# EAGLE board Mk4 Final Panel 8up 4x2 (EAGLE 9.0.1), part 13 of 23 (continued)
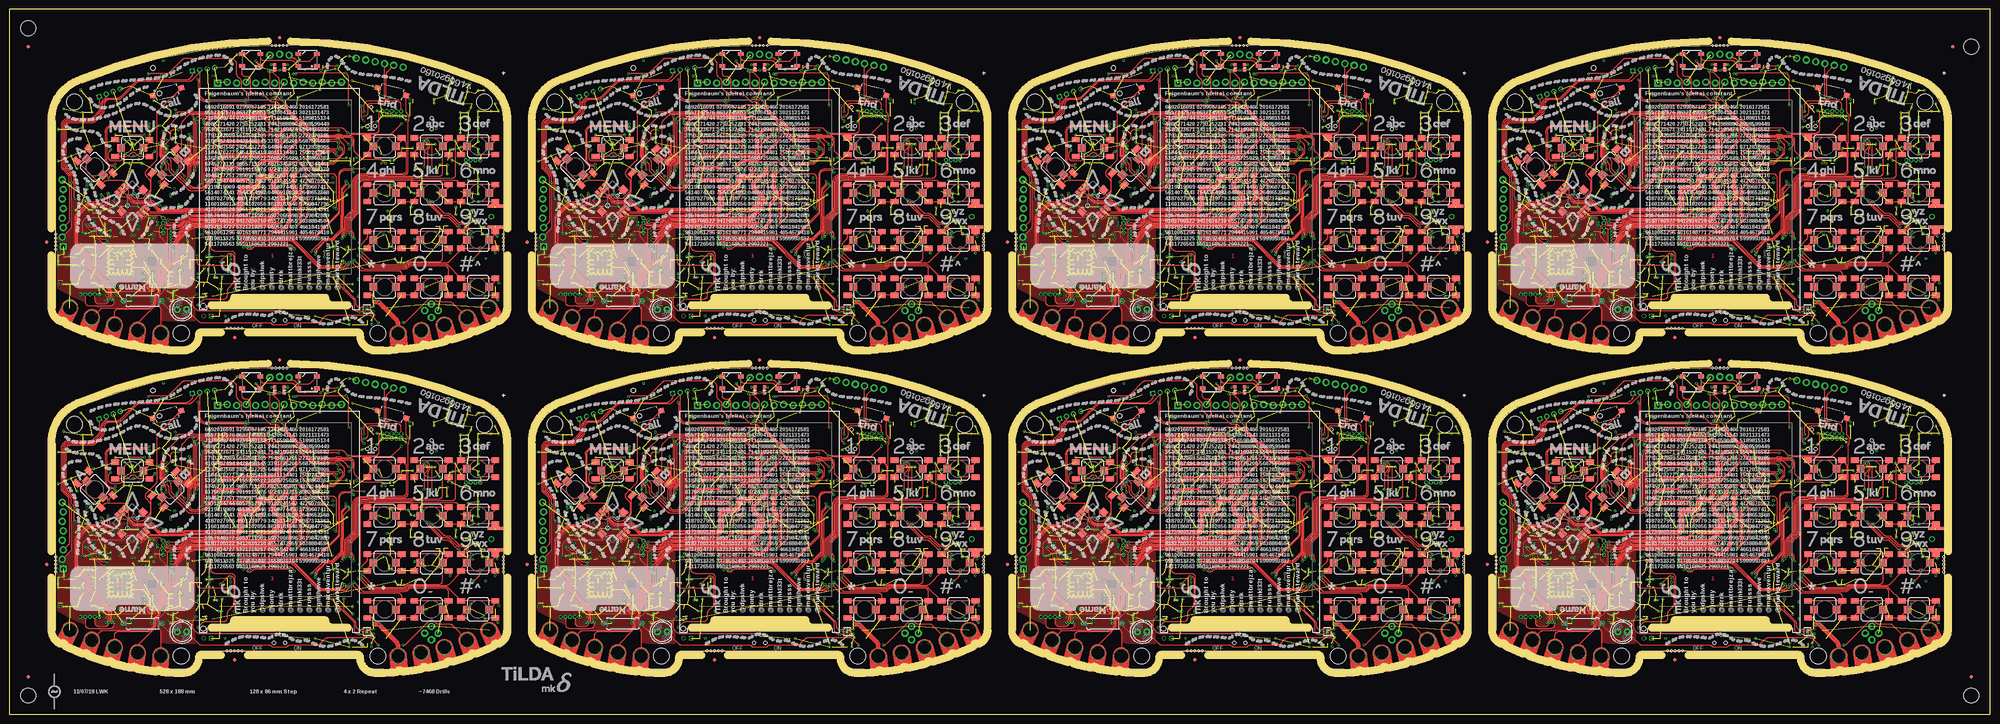
[diagram p0: board, top side]
## Tracks (layer width: path | path; a pad name or v marks a point on that pad's centre or on a via) (continued)
  Bottom 0.15: IC132.5 438,124.3 arc-90 439,125.3 441.38,125.3 arc-45 442.27,124.93 442.51,124.69 arc45 443.21,124.4 446.12,124.4 arc45 446.26,124.46 v446.4,124.6 | IC139.19 470.75,122.75 | IC140.1 472.25,119.5 472.27,119.53 | 472.27,119.53 arc90 472.27,120.22 471.04,121.46 arc-45 470.75,122.16 470.75,122.75 | 470.75,122.75 468.16,122.75 arc-45 467.46,123.04 466.69,123.81 arc45 465.99,124.1 v460,124.1 | v448.1,124.6 447.7,125 447.7,128.38 arc45 447.33,129.27 442.99,133.61 arc-45 442.7,134.31 442.7,143.99 arc-45 v442.99,144.69 v443,144.7 443.05,144.75 R572.1 | v473.2,116.8 473.2,118.39 arc45 473.05,118.75 472.27,119.53 | IC128.61 450.69,156 arc-45 451.05,155.85 v451.5,155.4 | IC143.6 476.73,106.88 arc45 476.7,106.95 476.63,107.02 arc-45 476.6,107.09 476.6,107.29 arc-45 476.75,107.65 v477.35,108.25
I2C4_SDA  (via drill 0.3)
  Top 0.15: v84,36 v84,37.5 | v74.58,38.7 65.54,38.7 arc45 64.83,38.41 64.56,38.13 arc-45 64,37.9 arc-90 v63.3,38.6 | IC17.6 v93.35,21.35 93,21.35 arc-90 92,22.35 92,24.09 arc45 91.71,24.79 85.99,30.51 arc45 85.29,30.8 v84.8,30.8
  3V3@2 0.15: v58,58.7 58,64 58.25,64.25 58.25,66.75 59,67.5 61,67.5 63.25,69.75 66.35,69.75 v66.7,69.4
  Bottom 0.15: IC8.6 arc-90 55.45,39 57.36,39 arc-45 58.07,38.71 58.31,38.47 arc45 59.19,38.1 61.82,38.1 arc-45 61.96,38.04 62.04,37.96 arc45 62.18,37.9 62.6,37.9 arc90 v63.3,38.6 63.4,38.7 63.4,42.34 arc45 63.11,43.04 58.69,47.46 arc-45 58.4,48.16 58.4,57.89 arc45 58.11,58.59 v58,58.7 arc45 58.1,58.94 58.1,59.7 R21.1 | IC4.20 86.92,37.25 86.89,37.23 84.66,37.23 arc-45 v84,37.5 83.39,38.11 arc45 82.69,38.4 76.71,38.4 arc-45 76.35,38.55 76.35,38.55 arc45 75.99,38.7 v74.58,38.7 | IC16.6 86.16,33.5 arc-45 85.46,33.79 84.8,34.45 | 84.8,34.45 84.29,34.96 arc-45 84,35.66 v84,36 | v84.8,30.8 84.8,34.45 | IC1.60 66.29,69.6 arc-45 66.65,69.45 v66.7,69.4 | IC3.1 95.47,20.06 arc45 95.18,20.77 94.89,21.06 arc45 94.19,21.35 v93.35,21.35
I2C4_SDA1  (via drill 0.3)
  Top 0.15: v212,36 v212,37.5 | v202.58,38.7 193.54,38.7 arc45 192.83,38.41 192.56,38.13 arc-45 192,37.9 arc-90 v191.3,38.6 | IC34.6 v221.35,21.35 221,21.35 arc-90 220,22.35 220,24.09 arc45 219.71,24.79 213.99,30.51 arc45 213.29,30.8 v212.8,30.8
  3V3@2 0.15: v186,58.7 186,64 186.25,64.25 186.25,66.75 187,67.5 189,67.5 191.25,69.75 194.35,69.75 v194.7,69.4
  Bottom 0.15: IC24.6 arc-90 183.45,39 185.36,39 arc-45 186.07,38.71 186.31,38.47 arc45 187.19,38.1 189.82,38.1 arc-45 189.96,38.04 190.04,37.96 arc45 190.18,37.9 190.6,37.9 arc90 v191.3,38.6 191.4,38.7 191.4,42.34 arc45 191.11,43.04 186.69,47.46 arc-45 186.4,48.16 186.4,57.89 arc45 186.11,58.59 v186,58.7 arc45 186.1,58.94 186.1,59.7 R103.1 | IC31.20 214.92,37.25 214.89,37.23 212.66,37.23 arc-45 v212,37.5 211.39,38.11 arc45 210.69,38.4 204.71,38.4 arc-45 204.35,38.55 204.35,38.55 arc45 203.99,38.7 v202.58,38.7 | IC32.6 214.16,33.5 arc-45 213.46,33.79 212.8,34.45 | 212.8,34.45 212.29,34.96 arc-45 212,35.66 v212,36 | v212.8,30.8 212.8,34.45 | IC20.60 194.29,69.6 arc-45 194.65,69.45 v194.7,69.4 | IC35.1 223.47,20.06 arc45 223.18,20.77 222.89,21.06 arc45 222.19,21.35 v221.35,21.35
I2C4_SDA2  (via drill 0.3)
  Top 0.15: v84,122 v84,123.5 | v74.58,124.7 65.54,124.7 arc45 64.83,124.41 64.56,124.13 arc-45 64,123.9 arc-90 v63.3,124.6 | IC52.6 v93.35,107.35 93,107.35 arc-90 92,108.35 92,110.09 arc45 91.71,110.79 85.99,116.51 arc45 85.29,116.8 v84.8,116.8
  3V3@2 0.15: v58,144.7 58,150 58.25,150.25 58.25,152.75 59,153.5 61,153.5 63.25,155.75 66.35,155.75 v66.7,155.4
  Bottom 0.15: IC42.6 arc-90 55.45,125 57.36,125 arc-45 58.07,124.71 58.31,124.47 arc45 59.19,124.1 61.82,124.1 arc-45 61.96,124.04 62.04,123.96 arc45 62.18,123.9 62.6,123.9 arc90 v63.3,124.6 63.4,124.7 63.4,128.34 arc45 63.11,129.04 58.69,133.46 arc-45 58.4,134.16 58.4,143.89 arc45 58.11,144.59 v58,144.7 arc45 58.1,144.94 58.1,145.7 R181.1 | IC49.20 86.92,123.25 86.89,123.22 84.66,123.22 arc-45 v84,123.5 83.39,124.11 arc45 82.69,124.4 76.71,124.4 arc-45 76.35,124.55 76.35,124.55 arc45 75.99,124.7 v74.58,124.7 | IC50.6 86.16,119.5 arc-45 85.46,119.79 84.8,120.45 | 84.8,120.45 84.29,120.96 arc-45 84,121.66 v84,122 | v84.8,116.8 84.8,120.45 | IC38.60 66.29,155.6 arc-45 66.65,155.45 v66.7,155.4 | IC53.1 95.47,106.06 arc45 95.18,106.77 94.89,107.06 arc45 94.19,107.35 v93.35,107.35
I2C4_SDA3  (via drill 0.3)
  Top 0.15: v212,122 v212,123.5 | v202.58,124.7 193.54,124.7 arc45 192.83,124.41 192.56,124.13 arc-45 192,123.9 arc-90 v191.3,124.6 | IC70.6 v221.35,107.35 221,107.35 arc-90 220,108.35 220,110.09 arc45 219.71,110.79 213.99,116.51 arc45 213.29,116.8 v212.8,116.8
  3V3@2 0.15: v186,144.7 186,150 186.25,150.25 186.25,152.75 187,153.5 189,153.5 191.25,155.75 194.35,155.75 v194.7,155.4
  Bottom 0.15: IC60.6 arc-90 183.45,125 185.36,125 arc-45 186.07,124.71 186.31,124.47 arc45 187.19,124.1 189.82,124.1 arc-45 189.96,124.04 190.04,123.96 arc45 190.18,123.9 190.6,123.9 arc90 v191.3,124.6 191.4,124.7 191.4,128.34 arc45 191.11,129.04 186.69,133.46 arc-45 186.4,134.16 186.4,143.89 arc45 186.11,144.59 v186,144.7 arc45 186.1,144.94 186.1,145.7 R259.1 | IC67.20 214.92,123.25 214.89,123.22 212.66,123.22 arc-45 v212,123.5 211.39,124.11 arc45 210.69,124.4 204.71,124.4 arc-45 204.35,124.55 204.35,124.55 arc45 203.99,124.7 v202.58,124.7 | IC68.6 214.16,119.5 arc-45 213.46,119.79 212.8,120.45 | 212.8,120.45 212.29,120.96 arc-45 212,121.66 v212,122 | v212.8,116.8 212.8,120.45 | IC56.60 194.29,155.6 arc-45 194.65,155.45 v194.7,155.4 | IC71.1 223.47,106.06 arc45 223.18,106.77 222.89,107.06 arc45 222.19,107.35 v221.35,107.35
I2C4_SDA4  (via drill 0.3)
  Top 0.15: v340,36 v340,37.5 | v330.58,38.7 321.54,38.7 arc45 320.83,38.41 320.56,38.13 arc-45 320,37.9 arc-90 v319.3,38.6 | IC88.6 v349.35,21.35 349,21.35 arc-90 348,22.35 348,24.09 arc45 347.71,24.79 341.99,30.51 arc45 341.29,30.8 v340.8,30.8
  3V3@2 0.15: v314,58.7 314,64 314.25,64.25 314.25,66.75 315,67.5 317,67.5 319.25,69.75 322.35,69.75 v322.7,69.4
  Bottom 0.15: IC78.6 arc-90 311.45,39 313.36,39 arc-45 314.07,38.71 314.31,38.47 arc45 315.19,38.1 317.82,38.1 arc-45 317.96,38.04 318.04,37.96 arc45 318.18,37.9 318.6,37.9 arc90 v319.3,38.6 319.4,38.7 319.4,42.34 arc45 319.11,43.04 314.69,47.46 arc-45 314.4,48.16 314.4,57.89 arc45 314.11,58.59 v314,58.7 arc45 314.1,58.94 314.1,59.7 R337.1 | IC85.20 342.92,37.25 342.89,37.23 340.66,37.23 arc-45 v340,37.5 339.39,38.11 arc45 338.69,38.4 332.71,38.4 arc-45 332.35,38.55 332.35,38.55 arc45 331.99,38.7 v330.58,38.7 | IC86.6 342.16,33.5 arc-45 341.46,33.79 340.8,34.45 | 340.8,34.45 340.29,34.96 arc-45 340,35.66 v340,36 | v340.8,30.8 340.8,34.45 | IC74.60 322.29,69.6 arc-45 322.65,69.45 v322.7,69.4 | IC89.1 351.48,20.06 arc45 351.18,20.77 350.89,21.06 arc45 350.19,21.35 v349.35,21.35
I2C4_SDA5  (via drill 0.3)
  Top 0.15: v468,36 v468,37.5 | v458.58,38.7 449.54,38.7 arc45 448.83,38.41 448.56,38.13 arc-45 448,37.9 arc-90 v447.3,38.6 | IC106.6 v477.35,21.35 477,21.35 arc-90 476,22.35 476,24.09 arc45 475.71,24.79 469.99,30.51 arc45 469.29,30.8 v468.8,30.8
  3V3@2 0.15: v442,58.7 442,64 442.25,64.25 442.25,66.75 443,67.5 445,67.5 447.25,69.75 450.35,69.75 v450.7,69.4
  Bottom 0.15: IC96.6 arc-90 439.45,39 441.36,39 arc-45 442.07,38.71 442.31,38.47 arc45 443.19,38.1 445.82,38.1 arc-45 445.96,38.04 446.04,37.96 arc45 446.18,37.9 446.6,37.9 arc90 v447.3,38.6 447.4,38.7 447.4,42.34 arc45 447.11,43.04 442.69,47.46 arc-45 442.4,48.16 442.4,57.89 arc45 442.11,58.59 v442,58.7 arc45 442.1,58.94 442.1,59.7 R415.1 | IC103.20 470.92,37.25 470.89,37.23 468.66,37.23 arc-45 v468,37.5 467.39,38.11 arc45 466.69,38.4 460.71,38.4 arc-45 460.35,38.55 460.35,38.55 arc45 459.99,38.7 v458.58,38.7 | IC104.6 470.16,33.5 arc-45 469.46,33.79 468.8,34.45 | 468.8,34.45 468.29,34.96 arc-45 468,35.66 v468,36 | v468.8,30.8 468.8,34.45 | IC92.60 450.29,69.6 arc-45 450.65,69.45 v450.7,69.4 | IC107.1 479.48,20.06 arc45 479.18,20.77 478.89,21.06 arc45 478.19,21.35 v477.35,21.35
I2C4_SDA6  (via drill 0.3)
  Top 0.15: v340,122 v340,123.5 | v330.58,124.7 321.54,124.7 arc45 320.83,124.41 320.56,124.13 arc-45 320,123.9 arc-90 v319.3,124.6 | IC124.6 v349.35,107.35 349,107.35 arc-90 348,108.35 348,110.09 arc45 347.71,110.79 341.99,116.51 arc45 341.29,116.8 v340.8,116.8
  3V3@2 0.15: v314,144.7 314,150 314.25,150.25 314.25,152.75 315,153.5 317,153.5 319.25,155.75 322.35,155.75 v322.7,155.4
  Bottom 0.15: IC114.6 arc-90 311.45,125 313.36,125 arc-45 314.07,124.71 314.31,124.47 arc45 315.19,124.1 317.82,124.1 arc-45 317.96,124.04 318.04,123.96 arc45 318.18,123.9 318.6,123.9 arc90 v319.3,124.6 319.4,124.7 319.4,128.34 arc45 319.11,129.04 314.69,133.46 arc-45 314.4,134.16 314.4,143.89 arc45 314.11,144.59 v314,144.7 arc45 314.1,144.94 314.1,145.7 R493.1 | IC121.20 342.92,123.25 342.89,123.22 340.66,123.22 arc-45 v340,123.5 339.39,124.11 arc45 338.69,124.4 332.71,124.4 arc-45 332.35,124.55 332.35,124.55 arc45 331.99,124.7 v330.58,124.7 | IC122.6 342.16,119.5 arc-45 341.46,119.79 340.8,120.45 | 340.8,120.45 340.29,120.96 arc-45 340,121.66 v340,122 | v340.8,116.8 340.8,120.45 | IC110.60 322.29,155.6 arc-45 322.65,155.45 v322.7,155.4 | IC125.1 351.48,106.06 arc45 351.18,106.77 350.89,107.06 arc45 350.19,107.35 v349.35,107.35
I2C4_SDA7  (via drill 0.3)
  Top 0.15: v468,122 v468,123.5 | v458.58,124.7 449.54,124.7 arc45 448.83,124.41 448.56,124.13 arc-45 448,123.9 arc-90 v447.3,124.6 | IC142.6 v477.35,107.35 477,107.35 arc-90 476,108.35 476,110.09 arc45 475.71,110.79 469.99,116.51 arc45 469.29,116.8 v468.8,116.8
  3V3@2 0.15: v442,144.7 442,150 442.25,150.25 442.25,152.75 443,153.5 445,153.5 447.25,155.75 450.35,155.75 v450.7,155.4
  Bottom 0.15: IC132.6 arc-90 439.45,125 441.36,125 arc-45 442.07,124.71 442.31,124.47 arc45 443.19,124.1 445.82,124.1 arc-45 445.96,124.04 446.04,123.96 arc45 446.18,123.9 446.6,123.9 arc90 v447.3,124.6 447.4,124.7 447.4,128.34 arc45 447.11,129.04 442.69,133.46 arc-45 442.4,134.16 442.4,143.89 arc45 442.11,144.59 v442,144.7 arc45 442.1,144.94 442.1,145.7 R571.1 | IC139.20 470.92,123.25 470.89,123.22 468.66,123.22 arc-45 v468,123.5 467.39,124.11 arc45 466.69,124.4 460.71,124.4 arc-45 460.35,124.55 460.35,124.55 arc45 459.99,124.7 v458.58,124.7 | IC140.6 470.16,119.5 arc-45 469.46,119.79 468.8,120.45 | 468.8,120.45 468.29,120.96 arc-45 468,121.66 v468,122 | v468.8,116.8 468.8,120.45 | IC128.60 450.29,155.6 arc-45 450.65,155.45 v450.7,155.4 | IC143.1 479.48,106.06 arc45 479.18,106.77 478.89,107.06 arc45 478.19,107.35 v477.35,107.35
I2C5_EXT_SCL  (via drill 0.3)
  Top 0.2: J8.1 48.78,84.69 arc-45 48.49,83.99 47.89,83.39 arc-45 47.19,83.1 34.62,83.1 arc45 33.73,82.73 29.59,78.59 arc-45 28.89,78.3 26.52,78.3 arc45 25.63,77.93 25.27,77.57 arc45 24.9,76.68 24.9,75.27 arc-45 24.46,74.21 22.89,72.64 arc-45 21.83,72.2 16.05,72.2 arc90 14.8,70.95 14.8,60.21 arc45 15.09,59.51 16.81,57.79 arc-45 17.1,57.09 17.1,52.31 arc45 17.39,51.61 v17.5,51.5 | v50.25,83.25 arc-45 50.5,82.65 50.5,79.15 arc90 52.25,77.4 62.85,77.4 v63,77.25
  3V3@2 0.15: v63,77.25 63,74 63.5,73.5 68.02,73.5 68.6,72.92 68.6,70.32 70.28,68.65 70.28,68.38 70.58,68.08 70.85,68.08 76.1,62.82 v76.1,62.2
  Bottom 0.15: IC1.121 78.89,61.6 78.86,61.63 arc45 78.51,61.77 78.38,61.77 arc-45 77.67,62.07 77.21,62.53 arc45 76.86,62.67 76.78,62.67 arc45 76.43,62.53 v76.1,62.2
  Bottom 0.2: IC1.121 80.79,61.6 arc-45 81.15,61.45 81.25,61.35 arc45 81.61,61.2 82.27,61.2 arc-45 82.62,61.05 83.35,60.33 83.35,60.15 R24.1 84.2,59.3 84.2,58.95 arc45 84.33,58.63 arc-45 84.62,57.92 84.62,53.82 arc45 84.92,53.11 85.41,52.62 arc45 86.12,52.33 87.76,52.33 arc-45 88.47,52.03 94.38,46.12 arc-45 94.75,45.23 94.75,39.33 arc45 95.19,38.27 100,33.46 arc45 101.06,33.02 104.66,33.02 arc-45 105.54,32.66 109.11,29.09 arc-45 109.4,28.39 109.4,21.9 109.4,21.51 | JP6.6 17.45,51.45 v17.5,51.5 | PCB.SCL 109.8,17 109.4,17.4 109.4,21.51 | J8.1 49,85.36 49,84.91 arc45 49.29,84.21 v50.25,83.25 | J11.3 111.06,19.85 arc-45 110.35,20.15 109.69,20.81 arc-45 109.4,21.51
  Bottom 0.3: PCB.SCL 110.25,16.84 | J8.5 J8.1
I2C5_EXT_SCL1  (via drill 0.3)
  Top 0.2: J18.1 176.78,84.69 arc-45 176.49,83.99 175.89,83.39 arc-45 175.19,83.1 162.62,83.1 arc45 161.73,82.73 157.59,78.59 arc-45 156.89,78.3 154.52,78.3 arc45 153.63,77.93 153.27,77.57 arc45 152.9,76.68 152.9,75.27 arc-45 152.46,74.21 150.89,72.64 arc-45 149.83,72.2 144.05,72.2 arc90 142.8,70.95 142.8,60.21 arc45 143.09,59.51 144.81,57.79 arc-45 145.1,57.09 145.1,52.31 arc45 145.39,51.61 v145.5,51.5 | v178.25,83.25 arc-45 178.5,82.65 178.5,79.15 arc90 180.25,77.4 190.85,77.4 v191,77.25
  3V3@2 0.15: v191,77.25 191,74 191.5,73.5 196.02,73.5 196.6,72.92 196.6,70.32 198.28,68.65 198.28,68.38 198.58,68.08 198.85,68.08 204.1,62.82 v204.1,62.2
  Bottom 0.15: IC20.121 206.89,61.6 206.86,61.63 arc45 206.51,61.77 206.38,61.77 arc-45 205.68,62.07 205.21,62.53 arc45 204.86,62.67 204.78,62.67 arc45 204.43,62.53 v204.1,62.2
  Bottom 0.2: IC20.121 208.79,61.6 arc-45 209.15,61.45 209.25,61.35 arc45 209.61,61.2 210.27,61.2 arc-45 210.62,61.05 211.35,60.33 211.35,60.15 R106.1 212.2,59.3 212.2,58.95 arc45 212.33,58.63 arc-45 212.62,57.92 212.62,53.82 arc45 212.92,53.11 213.41,52.62 arc45 214.12,52.33 215.76,52.33 arc-45 216.47,52.03 222.38,46.12 arc-45 222.75,45.23 222.75,39.33 arc45 223.19,38.27 228,33.46 arc45 229.06,33.02 232.66,33.02 arc-45 233.54,32.66 237.11,29.09 arc-45 237.4,28.39 237.4,21.51 | JP17.6 145.45,51.45 v145.5,51.5 | PCB1.SCL 237.8,17 237.4,17.4 237.4,21.51 | J18.1 177,85.36 177,84.91 arc45 177.29,84.21 v178.25,83.25 | J20.3 239.06,19.85 arc-45 238.35,20.15 237.69,20.81 arc-45 237.4,21.51
  Bottom 0.3: PCB1.SCL 238.25,16.84 | J18.5 J18.1
I2C5_EXT_SCL2  (via drill 0.3)
  Top 0.2: J28.1 48.78,170.69 arc-45 48.49,169.99 47.89,169.39 arc-45 47.19,169.1 34.62,169.1 arc45 33.73,168.73 29.59,164.59 arc-45 28.89,164.3 26.52,164.3 arc45 25.63,163.93 25.27,163.57 arc45 24.9,162.68 24.9,161.27 arc-45 24.46,160.21 22.89,158.64 arc-45 21.83,158.2 16.05,158.2 arc90 14.8,156.95 14.8,146.21 arc45 15.09,145.51 16.81,143.79 arc-45 17.1,143.09 17.1,138.31 arc45 17.39,137.61 v17.5,137.5 | v50.25,169.25 arc-45 50.5,168.65 50.5,165.15 arc90 52.25,163.4 62.85,163.4 v63,163.25
  3V3@2 0.15: v63,163.25 63,160 63.5,159.5 68.02,159.5 68.6,158.92 68.6,156.32 70.28,154.65 70.28,154.38 70.58,154.07 70.85,154.07 76.1,148.82 v76.1,148.2
  Bottom 0.15: IC38.121 78.89,147.6 78.86,147.63 arc45 78.51,147.78 78.38,147.78 arc-45 77.67,148.07 77.21,148.53 arc45 76.86,148.68 76.78,148.68 arc45 76.43,148.53 v76.1,148.2
  Bottom 0.2: IC38.121 80.79,147.6 arc-45 81.15,147.45 81.25,147.35 arc45 81.61,147.2 82.27,147.2 arc-45 82.62,147.05 83.35,146.33 83.35,146.15 R184.1 84.2,145.3 84.2,144.95 arc45 84.33,144.63 arc-45 84.62,143.92 84.62,139.82 arc45 84.92,139.11 85.41,138.62 arc45 86.12,138.32 87.76,138.32 arc-45 88.47,138.03 94.38,132.12 arc-45 94.75,131.23 94.75,125.33 arc45 95.19,124.27 100,119.46 arc45 101.06,119.03 104.66,119.03 arc-45 105.54,118.66 109.11,115.09 arc-45 109.4,114.39 109.4,107.51 | JP26.6 17.45,137.45 v17.5,137.5 | PCB2.SCL 109.8,103 109.4,103.4 109.4,107.51 | J28.1 49,171.36 49,170.91 arc45 49.29,170.21 v50.25,169.25 | J30.3 111.06,105.85 arc-45 110.35,106.15 109.69,106.81 arc-45 109.4,107.51
  Bottom 0.3: PCB2.SCL 110.25,102.84 | J28.5 J28.1
I2C5_EXT_SCL3  (via drill 0.3)
  Top 0.2: J38.1 176.78,170.69 arc-45 176.49,169.99 175.89,169.39 arc-45 175.19,169.1 162.62,169.1 arc45 161.73,168.73 157.59,164.59 arc-45 156.89,164.3 154.52,164.3 arc45 153.63,163.93 153.27,163.57 arc45 152.9,162.68 152.9,161.27 arc-45 152.46,160.21 150.89,158.64 arc-45 149.83,158.2 144.05,158.2 arc90 142.8,156.95 142.8,146.21 arc45 143.09,145.51 144.81,143.79 arc-45 145.1,143.09 145.1,138.31 arc45 145.39,137.61 v145.5,137.5 | v178.25,169.25 arc-45 178.5,168.65 178.5,165.15 arc90 180.25,163.4 190.85,163.4 v191,163.25
  3V3@2 0.15: v191,163.25 191,160 191.5,159.5 196.02,159.5 196.6,158.92 196.6,156.32 198.28,154.65 198.28,154.38 198.58,154.07 198.85,154.07 204.1,148.82 v204.1,148.2
  Bottom 0.15: IC56.121 206.89,147.6 206.86,147.63 arc45 206.51,147.78 206.38,147.78 arc-45 205.68,148.07 205.21,148.53 arc45 204.86,148.68 204.78,148.68 arc45 204.43,148.53 v204.1,148.2
  Bottom 0.2: IC56.121 208.79,147.6 arc-45 209.15,147.45 209.25,147.35 arc45 209.61,147.2 210.27,147.2 arc-45 210.62,147.05 211.35,146.33 211.35,146.15 R262.1 212.2,145.3 212.2,144.95 arc45 212.33,144.63 arc-45 212.62,143.92 212.62,139.82 arc45 212.92,139.11 213.41,138.62 arc45 214.12,138.32 215.76,138.32 arc-45 216.47,138.03 222.38,132.12 arc-45 222.75,131.23 222.75,125.33 arc45 223.19,124.27 228,119.46 arc45 229.06,119.03 232.66,119.03 arc-45 233.54,118.66 237.11,115.09 arc-45 237.4,114.39 237.4,107.51 | JP35.6 145.45,137.45 v145.5,137.5 | PCB3.SCL 237.8,103 237.4,103.4 237.4,107.51 | J38.1 177,171.36 177,170.91 arc45 177.29,170.21 v178.25,169.25 | J40.3 239.06,105.85 arc-45 238.35,106.15 237.69,106.81 arc-45 237.4,107.51
  Bottom 0.3: PCB3.SCL 238.25,102.84 | J38.5 J38.1
I2C5_EXT_SCL4  (via drill 0.3)
  Top 0.2: J48.1 304.78,84.69 arc-45 304.49,83.99 303.89,83.39 arc-45 303.19,83.1 290.62,83.1 arc45 289.73,82.73 285.59,78.59 arc-45 284.89,78.3 282.52,78.3 arc45 281.63,77.93 281.27,77.57 arc45 280.9,76.68 280.9,75.27 arc-45 280.46,74.21 278.89,72.64 arc-45 277.83,72.2 272.05,72.2 arc90 270.8,70.95 270.8,60.21 arc45 271.09,59.51 272.81,57.79 arc-45 273.1,57.09 273.1,52.31 arc45 273.39,51.61 v273.5,51.5 | v306.25,83.25 arc-45 306.5,82.65 306.5,79.15 arc90 308.25,77.4 318.85,77.4 v319,77.25
  3V3@2 0.15: v319,77.25 319,74 319.5,73.5 324.02,73.5 324.6,72.92 324.6,70.32 326.27,68.65 326.27,68.38 326.58,68.08 326.85,68.08 332.1,62.82 v332.1,62.2
  Bottom 0.15: IC74.121 334.89,61.6 334.86,61.63 arc45 334.51,61.77 334.38,61.77 arc-45 333.68,62.07 333.21,62.53 arc45 332.86,62.67 332.78,62.67 arc45 332.43,62.53 v332.1,62.2
  Bottom 0.2: IC74.121 336.79,61.6 arc-45 337.15,61.45 337.25,61.35 arc45 337.61,61.2 338.27,61.2 arc-45 338.62,61.05 339.35,60.33 339.35,60.15 R340.1 340.2,59.3 340.2,58.95 arc45 340.33,58.63 arc-45 340.62,57.92 340.62,53.82 arc45 340.92,53.11 341.41,52.62 arc45 342.12,52.33 343.76,52.33 arc-45 344.47,52.03 350.38,46.12 arc-45 350.75,45.23 350.75,39.33 arc45 351.19,38.27 356,33.46 arc45 357.06,33.02 360.66,33.02 arc-45 361.54,32.66 365.11,29.09 arc-45 365.4,28.39 365.4,21.51 | JP44.6 273.45,51.45 v273.5,51.5 | PCB4.SCL 365.8,17 365.4,17.4 365.4,21.51 | J48.1 305,85.36 305,84.91 arc45 305.29,84.21 v306.25,83.25 | J50.3 367.06,19.85 arc-45 366.35,20.15 365.69,20.81 arc-45 365.4,21.51
  Bottom 0.3: PCB4.SCL 366.25,16.84 | J48.5 J48.1
I2C5_EXT_SCL5  (via drill 0.3)
  Top 0.2: J58.1 432.78,84.69 arc-45 432.49,83.99 431.89,83.39 arc-45 431.19,83.1 418.62,83.1 arc45 417.73,82.73 413.59,78.59 arc-45 412.89,78.3 410.52,78.3 arc45 409.63,77.93 409.27,77.57 arc45 408.9,76.68 408.9,75.27 arc-45 408.46,74.21 406.89,72.64 arc-45 405.83,72.2 400.05,72.2 arc90 398.8,70.95 398.8,60.21 arc45 399.09,59.51 400.81,57.79 arc-45 401.1,57.09 401.1,52.31 arc45 401.39,51.61 v401.5,51.5 | v434.25,83.25 arc-45 434.5,82.65 434.5,79.15 arc90 436.25,77.4 446.85,77.4 v447,77.25
  3V3@2 0.15: v447,77.25 447,74 447.5,73.5 452.02,73.5 452.6,72.92 452.6,70.32 454.27,68.65 454.27,68.38 454.58,68.08 454.85,68.08 460.1,62.82 v460.1,62.2
  Bottom 0.15: IC92.121 462.89,61.6 462.86,61.63 arc45 462.51,61.77 462.38,61.77 arc-45 461.68,62.07 461.21,62.53 arc45 460.86,62.67 460.78,62.67 arc45 460.43,62.53 v460.1,62.2
  Bottom 0.2: IC92.121 464.79,61.6 arc-45 465.15,61.45 465.25,61.35 arc45 465.61,61.2 466.27,61.2 arc-45 466.62,61.05 467.35,60.33 467.35,60.15 R418.1 468.2,59.3 468.2,58.95 arc45 468.33,58.63 arc-45 468.62,57.92 468.62,53.82 arc45 468.92,53.11 469.41,52.62 arc45 470.12,52.33 471.76,52.33 arc-45 472.47,52.03 478.38,46.12 arc-45 478.75,45.23 478.75,39.33 arc45 479.19,38.27 484,33.46 arc45 485.06,33.02 488.66,33.02 arc-45 489.54,32.66 493.11,29.09 arc-45 493.4,28.39 493.4,21.51 | JP53.6 401.45,51.45 v401.5,51.5 | PCB5.SCL 493.8,17 493.4,17.4 493.4,21.51 | J58.1 433,85.36 433,84.91 arc45 433.29,84.21 v434.25,83.25 | J60.3 495.06,19.85 arc-45 494.35,20.15 493.69,20.81 arc-45 493.4,21.51
  Bottom 0.3: PCB5.SCL 494.25,16.84 | J58.5 J58.1
I2C5_EXT_SCL6  (via drill 0.3)
  Top 0.2: J68.1 304.78,170.69 arc-45 304.49,169.99 303.89,169.39 arc-45 303.19,169.1 290.62,169.1 arc45 289.73,168.73 285.59,164.59 arc-45 284.89,164.3 282.52,164.3 arc45 281.63,163.93 281.27,163.57 arc45 280.9,162.68 280.9,161.27 arc-45 280.46,160.21 278.89,158.64 arc-45 277.83,158.2 272.05,158.2 arc90 270.8,156.95 270.8,146.21 arc45 271.09,145.51 272.81,143.79 arc-45 273.1,143.09 273.1,138.31 arc45 273.39,137.61 v273.5,137.5 | v306.25,169.25 arc-45 306.5,168.65 306.5,165.15 arc90 308.25,163.4 318.85,163.4 v319,163.25
  3V3@2 0.15: v319,163.25 319,160 319.5,159.5 324.02,159.5 324.6,158.92 324.6,156.32 326.27,154.65 326.27,154.38 326.58,154.07 326.85,154.07 332.1,148.82 v332.1,148.2
  Bottom 0.15: IC110.121 334.89,147.6 334.86,147.63 arc45 334.51,147.78 334.38,147.78 arc-45 333.68,148.07 333.21,148.53 arc45 332.86,148.68 332.78,148.68 arc45 332.43,148.53 v332.1,148.2
  Bottom 0.2: IC110.121 336.79,147.6 arc-45 337.15,147.45 337.25,147.35 arc45 337.61,147.2 338.27,147.2 arc-45 338.62,147.05 339.35,146.33 339.35,146.15 R496.1 340.2,145.3 340.2,144.95 arc45 340.33,144.63 arc-45 340.62,143.92 340.62,139.82 arc45 340.92,139.11 341.41,138.62 arc45 342.12,138.32 343.76,138.32 arc-45 344.47,138.03 350.38,132.12 arc-45 350.75,131.23 350.75,125.33 arc45 351.19,124.27 356,119.46 arc45 357.06,119.03 360.66,119.03 arc-45 361.54,118.66 365.11,115.09 arc-45 365.4,114.39 365.4,107.51 | JP62.6 273.45,137.45 v273.5,137.5 | PCB6.SCL 365.8,103 365.4,103.4 365.4,107.51 | J68.1 305,171.36 305,170.91 arc45 305.29,170.21 v306.25,169.25 | J70.3 367.06,105.85 arc-45 366.35,106.15 365.69,106.81 arc-45 365.4,107.51
  Bottom 0.3: PCB6.SCL 366.25,102.84 | J68.5 J68.1
I2C5_EXT_SCL7  (via drill 0.3)
  Top 0.2: J78.1 432.78,170.69 arc-45 432.49,169.99 431.89,169.39 arc-45 431.19,169.1 418.62,169.1 arc45 417.73,168.73 413.59,164.59 arc-45 412.89,164.3 410.52,164.3 arc45 409.63,163.93 409.27,163.57 arc45 408.9,162.68 408.9,161.27 arc-45 408.46,160.21 406.89,158.64 arc-45 405.83,158.2 400.05,158.2 arc90 398.8,156.95 398.8,146.21 arc45 399.09,145.51 400.81,143.79 arc-45 401.1,143.09 401.1,138.31 arc45 401.39,137.61 v401.5,137.5 | v434.25,169.25 arc-45 434.5,168.65 434.5,165.15 arc90 436.25,163.4 446.85,163.4 v447,163.25
  3V3@2 0.15: v447,163.25 447,160 447.5,159.5 452.02,159.5 452.6,158.92 452.6,156.32 454.27,154.65 454.27,154.38 454.58,154.07 454.85,154.07 460.1,148.82 v460.1,148.2
  Bottom 0.15: IC128.121 462.89,147.6 462.86,147.63 arc45 462.51,147.78 462.38,147.78 arc-45 461.68,148.07 461.21,148.53 arc45 460.86,148.68 460.78,148.68 arc45 460.43,148.53 v460.1,148.2
  Bottom 0.2: IC128.121 464.79,147.6 arc-45 465.15,147.45 465.25,147.35 arc45 465.61,147.2 466.27,147.2 arc-45 466.62,147.05 467.35,146.33 467.35,146.15 R574.1 468.2,145.3 468.2,144.95 arc45 468.33,144.63 arc-45 468.62,143.92 468.62,139.82 arc45 468.92,139.11 469.41,138.62 arc45 470.12,138.32 471.76,138.32 arc-45 472.47,138.03 478.38,132.12 arc-45 478.75,131.23 478.75,125.33 arc45 479.19,124.27 484,119.46 arc45 485.06,119.03 488.66,119.03 arc-45 489.54,118.66 493.11,115.09 arc-45 493.4,114.39 493.4,107.51 | JP71.6 401.45,137.45 v401.5,137.5 | PCB7.SCL 493.8,103 493.4,103.4 493.4,107.51 | J78.1 433,171.36 433,170.91 arc45 433.29,170.21 v434.25,169.25 | J80.3 495.06,105.85 arc-45 494.35,106.15 493.69,106.81 arc-45 493.4,107.51
  Bottom 0.3: PCB7.SCL 494.25,102.84 | J78.5 J78.1
I2C5_EXT_SDA  (via drill 0.3)
  Top 0.2: v17.75,54 17.73,54.02 arc-45 17.5,54.57 17.5,57.24 arc45 17.21,57.94 15.49,59.66 arc-45 15.2,60.36 15.2,70.8 arc-90 16.2,71.8 21.88,71.8 arc45 23.11,72.31 24.79,73.99 arc45 25.3,75.22 25.3,76.64 arc-45 25.59,77.34 25.86,77.61 arc-45 26.56,77.9 28.93,77.9 arc45 29.82,78.27 34.01,82.46 arc-45 34.71,82.75 47.84,82.75 arc45 48.54,83.04 50.76,85.26 J8.2 50.76,85.24 50.9,85.1 50.9,79.3 arc90 52.4,77.8 62.8,77.8 v63,78
  3V3@2 0.15: v75.3,62.2 75.3,63.2 70.72,67.78 70.46,67.78 69.97,68.26 69.97,68.53 68.3,70.2 68.3,72.8 67.9,73.2 63.3,73.2 62.7,73.8 62.7,76.7 62.4,77 62.4,77.4 v63,78
  Bottom 0.15: IC1.120 78.92,62 arc-45 78.91,62 arc45 78.74,62.08 arc-45 78.03,62.37 77.72,62.68 arc45 77.01,62.98 76.49,62.98 arc45 75.78,62.68 v75.3,62.2
  Bottom 0.2: IC1.120 80.92,62 arc-45 81.28,61.85 81.43,61.7 arc45 81.78,61.56 82.99,61.56 arc-45 83.34,61.41 R23.1 84.2,60.55 arc45 84.56,60.4 84.9,60.4 arc-90 85.4,59.9 85.4,59.21 arc-45 85.11,58.51 84.97,58.38 84.97,53.96 arc45 85.27,53.26 85.56,52.97 arc45 86.26,52.67 87.91,52.67 arc-45 88.62,52.38 94.66,46.34 arc-45 95.1,45.28 95.1,39.37 arc45 95.47,38.49 100.19,33.77 arc45 101.07,33.4 105.49,33.4 arc-45 106.19,33.11 109.56,29.75 arc-45 109.85,29.04 109.85,22.92 arc45 110.14,22.21 J11.4 112.09,21.65 arc-45 112.79,21.36 115.71,18.44 arc-45 PCB.SDA | JP6.7 v17.74,53.99 v17.75,54
  Bottom 0.3: J8.6 J8.2
I2C5_EXT_SDA1  (via drill 0.3)